# Altium PCB bitfury_power.PcbDoc (part 1 of 2)
Units mm, origin at the board's own origin, x right, y up, seen from the top; angles counter-clockwise.
Board outline 85.25 x 57.25 mm, 2 copper layers (Top Layer, Bottom Layer); 97 components, 67 nets, 376 pads, 210 vias.
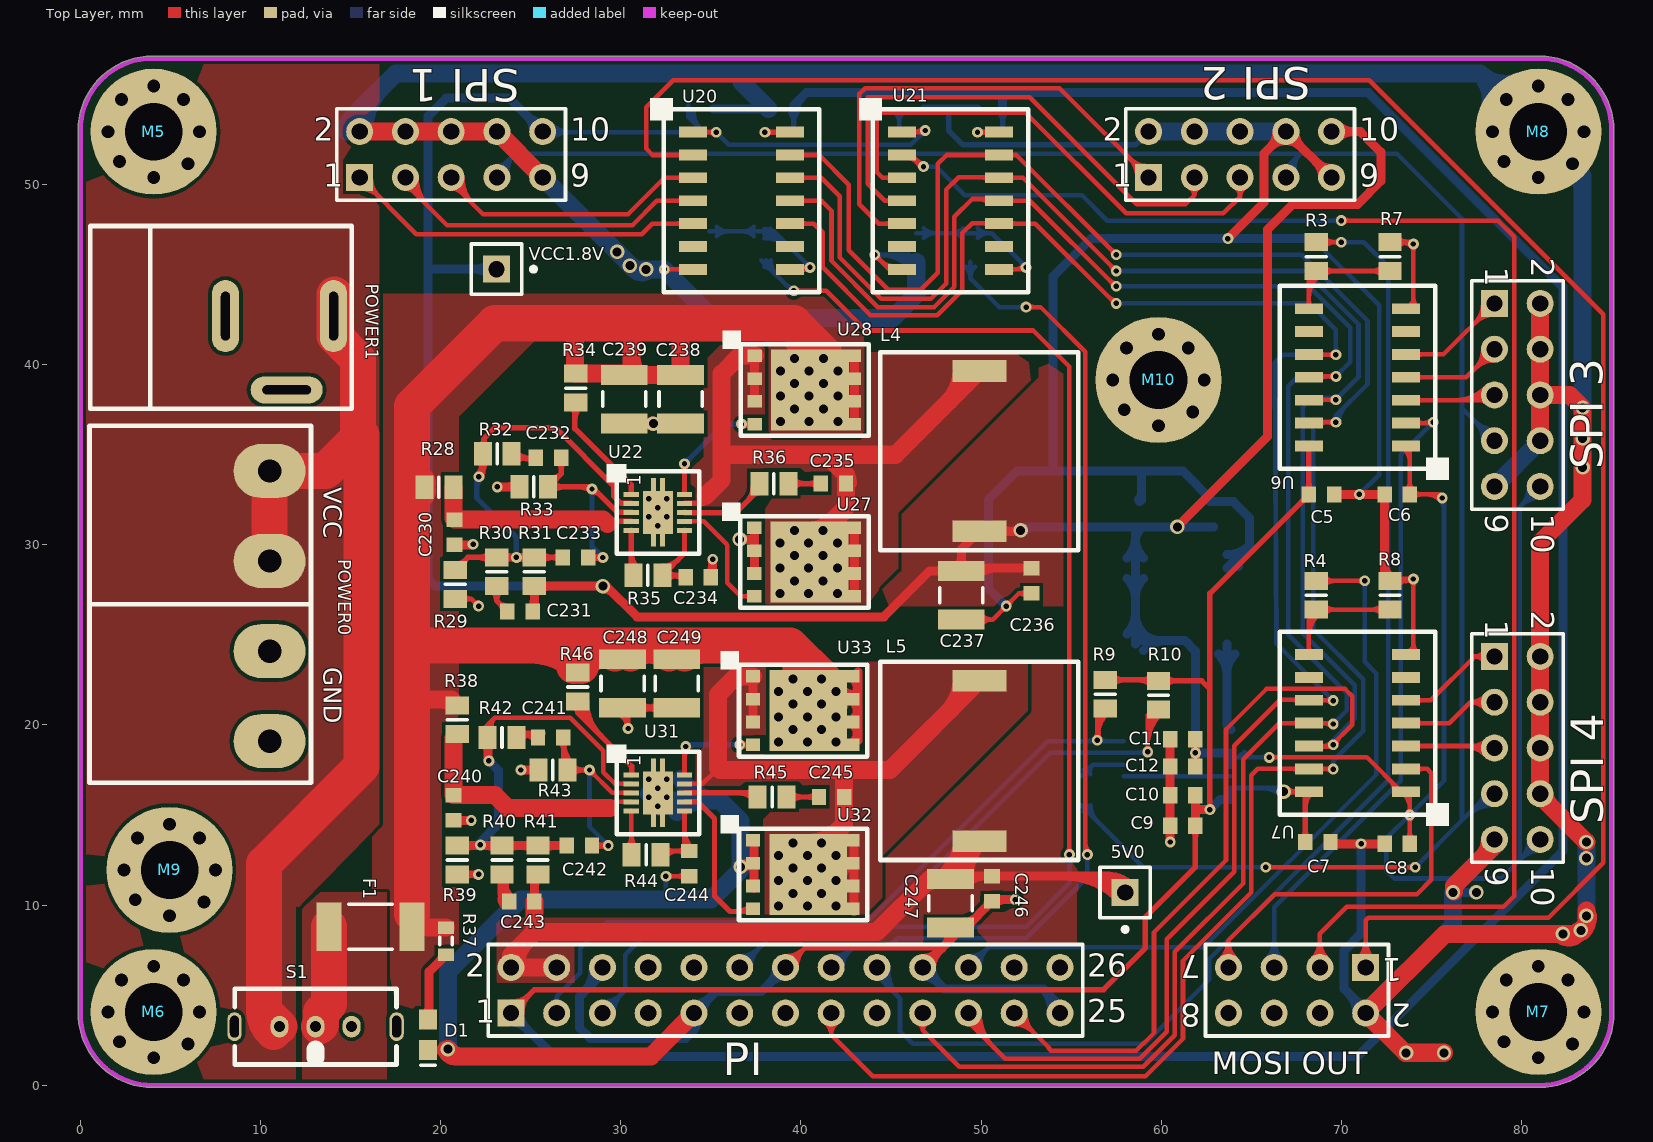
[diagram p0: Top Layer view]
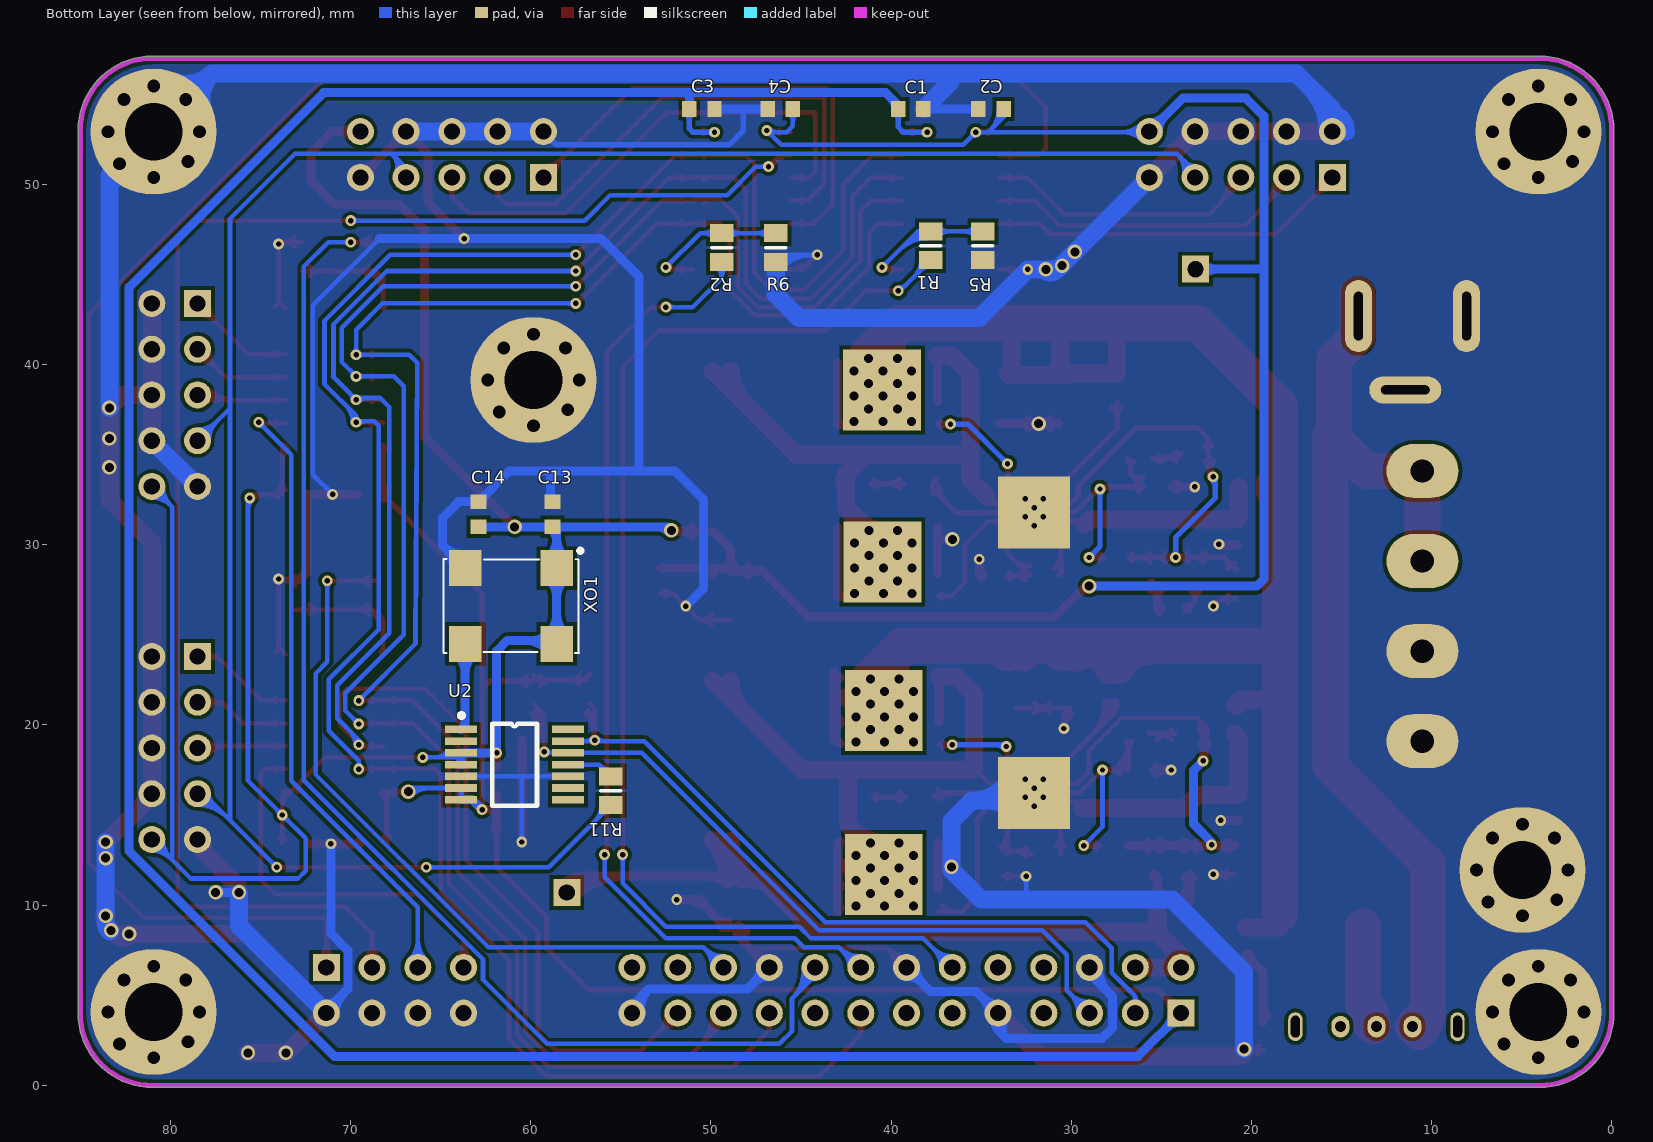
[diagram p1: Bottom Layer view, seen from below]

## Layer stack, top to bottom
Top Layer: signal copper 0.0356
Dielectric: dielectric 0.32, FR-4, Dk 4.8
Bottom Layer: signal copper 0.0356

## Board outline
-0.12,3.758 cw(c0,3.8) -0.127,3.8 -0.127,53 cw(c4,53) 4,57.127 81,57.127 cw(c81,53) 85.127,53 85.127,4 cw(c81,4) 81,-0.127 4,-0.127 cw(c4,4)

## Design rules (kind name [scope] priority, off if disabled: settings)
Clearance [All] p1: gap=0.2
HoleSize [All] p1: absolutevalues=TRUE maxlimit=254 minlimit=0.025 maxpercent=80.000 minpercent=20.000
HoleToHoleClearance [All] p1: gap=0.3 allowstackedmicrovias=TRUE
MinimumAnnularRing [All] p1: minimumring=0.15
MinimumSolderMaskSliver [All] p1: minsoldermaskwidth=0
PlaneConnect [All] p1: planeconnectstyle=Direct reliefexpansion=0.508 reliefentries=4 reliefconductorwidth=0.254 reliefairgap=0.254
PolygonConnect [All] p1: connectstyle=Direct reliefconductorwidth=0.254 reliefentries=4 polygonreliefangle="90 Angle"
RoutingVias [All] p1: holewidth=127 width=127 viastyle="Through Hole" minholewidth=0.3 minwidth=0.6 maxholewidth=0.711 maxwidth=1.27
SilkToSilkClearance [All] p1: silktosilkclearance=0
SilkscreenOverComponentPads [All] p1: minsilkscreentomaskgap=0
SolderMaskExpansion SolderMaskExpansion_1 [IsVia] p1: expansion=-0.6
SolderMaskExpansion [All] p2: expansion=0.102
Width [All] p1: maxlimit=254 minlimit=0.254 preferedwidth=0.254 minimp=50.000000 maximp=50.000000 favimp=50.000000
22 further rules are at their usual default settings.

## Components (designator, comment, footprint, x,y, rotation, side; value= is the part's Value field where it differs from the comment)
5V0 "TP" PIN1 58,10.7 r180 top
C1 "10nF/50V" 1608[0603] 38.9,54.2 r0 bottom
C2 "10nF/50V" 1608[0603] 34.45,54.2 r0 bottom
C3 "10nF/50V" 1608[0603] 50.5,54.2 r0 bottom
C4 "10nF/50V" 1608[0603] 46.15,54.2 r0 bottom
C5 "10nF/50V" 1608[0603] 68.9,32.8 r180 top
C6 "10nF/50V" 1608[0603] 73.1,32.8 r180 top
C7 "10nF/50V" 1608[0603] 68.7,13.5 r180 top
C8 "10nF/50V" 1608[0603] 73.1,13.4 r180 top
C9 "100nF/16V" 1608[0603] 61.2,14.4 r0 top
C10 "4.7uF/50V" 1608[0603] 61.2,16.1 r0 top
C11 "4.7uF/50V" 1608[0603] 61.2,19.2 r0 top
C12 "4.7uF/50V" 1608[0603] 61.2,17.7 r0 top
C13 "4.7uF/16v" 1608[0603] 58.8,31.7 r90 bottom
C14 "100nF/16V" 1608[0603] 62.9,31.7 r270 bottom
C230 "1uF" 1608[0603] 20.762,30.696 r90 top
C231 "1500pF" 1608[0603] 24.4,26.3 r0 top
C232 "1500pF" 1608[0603] 25.986,34.832 r0 top
C233 "68pF" 1608[0603] 27.482,29.298 r0 top
C234 "4.7uF" 1608[0603] 34.3,28.2 r180 top
C235 "0.22uF" 1608[0603] 41.8,33.4 r180 top
C236 "1uF" 1608[0603] 52.8,28 r90 top
C237 "68uF" C1210 48.9,27.2 r90 top
C238 "47uF" C1210 33.318,38.082 r90 top
C239 "10uF" C1210 30.186,38.082 r90 top
C240 "1uF" 1608[0603] 20.717,15.4 r90 top
C241 "1500pF" 1608[0603] 26.1,19.3 r0 top
C242 "68pF" 1608[0603] 27.7,13.3 r0 top
C243 "1200pF" 1608[0603] 24.5,10.2 r0 top
C244 "4.7uF" 1608[0603] 33.8,12.3 r90 top
C245 "0.22uF" 1608[0603] 41.702,16 r180 top
C246 "1uF" 1608[0603] 50.6,10.9 r90 top
C247 "33uF" C1210 48.3,10.1 r90 top
C248 "OPEN" C1210 30.1,22.3 r90 top
C249 "10uF" C1210 33.1,22.3 r90 top
D1 "" CD1608-0603 19.3,2.8 r270 top
F1 "Fuse" RESC5025N1 16.1,8.8 r180 top
L4 "12uH" CDRH104RNP-120 49.9,35.2 r0 top
L5 "22uH" CDRH104RNP-120 49.9,18 r0 top
M5 "Mount Hole" MHOLE2 4.064,52.936 r0 top
M6 "Mount Hole" MHOLE2 4.064,4.064 r0 top
M7 "Mount Hole" MHOLE2 80.936,4.064 r0 top
M8 "Mount Hole" MHOLE2 80.936,52.936 r0 top
M9 "Mount Hole" MHOLE2 4.95,11.95 r0 top
M10 "Mount Hole" MHOLE2 59.85,39.15 r0 top
"MOSI OUT" "Header 4X2" HDR2X4 71.35,6.54 r180 top (schematic designator P5)
PI "Header 13X2" HDR2X13 23.9,4 r0 top (schematic designator P17)
POWER0 "Header 4" SIP4 6.8,15.4 r270 top
POWER1 "PWR2.5" KLD-0202 6.25,45.8 r0 top
R1 "18R" 6-0805_L 37.8,46.6 r270 bottom
R2 "18R" 6-0805_L 49.4,46.5 r270 bottom
R3 "18R" 6-0805_L 68.6,46 r90 top
R4 "18R" 6-0805_L 68.6,27.2 r90 top
R5 "56R" 6-0805_L 34.9,46.6 r90 bottom
R6 "56R" 6-0805_L 46.4,46.5 r90 bottom
R7 "56R" 6-0805_L 72.7,46 r270 top
R8 "56R" 6-0805_L 72.7,27.2 r270 top
R9 "10K" 6-0805_L 56.9,21.7 r270 top
R10 "10K" 6-0805_L 59.85,21.65 r90 top
R11 "0R" 6-0805_L 55.55,16.35 r90 bottom
R28 "0" 6-0805_L 19.9,33.2 r180 top
R29 "4.87K" 6-0805_L 20.8,27.8 r90 top
R30 "511" 6-0805_L 23.1,28.5 r270 top
R31 "10K" 6-0805_L 25.2,28.5 r270 top
R32 "11.3K" 6-0805_L 23.134,35.048 r180 top
R33 "3.9K" 6-0805_L 25.166,33.216 r180 top
R34 "100K" 6-0805_L 27.5,38.7 r90 top
R35 "100K" 6-0805_L 31.5,28.3 r0 top
R36 "0" 6-0805_L 38.498,33.4 r0 top
R37 "10K" J1-0603 20.3,8 r90 top
R38 "0" 6-0805_L 20.917,20.288 r90 top
R39 "1.33K" 6-0805_L 20.917,12.5 r90 top
R40 "487" 6-0805_L 23.4,12.5 r270 top
R41 "10K" 6-0805_L 25.4,12.5 r270 top
R42 "9.31K" 6-0805_L 23.4,19.3 r180 top
R43 "3.9K" 6-0805_L 26.229,17.498 r180 top
R44 "100K" 6-0805_L 31.4,12.8 r0 top
R45 "0" 6-0805_L 38.4,16 r0 top
R46 "100K" 6-0805_L 27.597,22.106 r90 top
S1 "SW-SPDT" SW3_S1 13.05,3.25 r180 top
"SPI 1" "Header 5X2" HDR2X5 15.5,50.4 r0 top (schematic designator P1)
"SPI 2" "Header 5X2" HDR2X5 59.3,50.4 r0 top (schematic designator P2)
"SPI 3" "Header 5X2" HDR2X5 78.5,43.4 r270 top (schematic designator P3)
"SPI 4" "Header 5X2" HDR2X5 78.5,23.8 r270 top (schematic designator P4)
U2 "CDCE913" "TSSOP14 N" 60.9,17.8 r180 bottom
U6 "TXB0104D" TXB0104-SOP14 70.9,39.3 r180 top
U7 "TXB0104D" TXB0104-SOP14 70.9,20.1 r180 top
U20 "TXB0104D" TXB0104-SOP14 36.7,49.103 r0 top
U21 "TXB0104D" TXB0104-SOP14 48.3,49.103 r0 top
U22 "TPS40193" SON-N10 32.057,31.8 r0 top
U27 "CSD16321Q5" CSD16321 42.979,30.95 r0 top
U28 "CSD16321Q5" CSD16321 43,40.5 r0 top
U31 "TPS40193" SON-N10 32.057,16.228 r0 top
U32 "CSD16321Q5" CSD16321 42.9,13.6 r0 top
U33 "CSD16321Q5" CSD16321 42.9,22.7 r0 top
VCC1.8V "TP" PIN1 23.1,45.3 r270 top
XO1 "12MHZ" "OSC 7.5x5.2" 61.1,26.6 r0 bottom

## Footprints (in the part's own frame and the unit in brackets; to place one, negate y for a bottom-side part, rotate by r counter-clockwise, add the part's x,y. Pads: shape width x height; smd on the part's side, far side on the other; paste and mask are expansions set on the pad)
6-0805_L [mm] "Chip Resistor, Body 2.0x1.2mm, IPC High Density"
  rect 1x1.3 smd: 1(-0.8,0) 2(0.8,0)
  silkscreen extent 0,-0.55 0,0.55, body extent -1.07,-0.7 1.07,0.7, height 0.7
1608[0603] [mm] "Chip Capacitor, Body 1.6x0.8mm, IPC High Density"
  rect 0.8x0.9 smd: 1(-0.7,0) 2(0.7,0)
  body extent -0.87,-0.48 0.87,0.48, height 1.3
C1210 [mm] "Chip Capacitor, Body 3.2x2.5mm, IPC High Density"
  rect 1.1x2.6 smd: 1(-1.35,0) 2(1.35,0)
  silkscreen extent -0.4,-1.2 0.4,1.2, body extent -1.7,-1.35 1.7,1.35, height 1.3
CD1608-0603 [mm] "Chip Diode; Body 1.6 x 0.8 mm (LxW typ)"
  rect 1.1x1 smd: 1(-0.85,0) 2(0.85,0)
  silkscreen extent 1.7,-0.4 1.7,0.4
CDRH104RNP-120 [mm]
  rect 3x1.2 smd: 1(0,4.45) 2(0,-4.45)
  silkscreen extent -5.5,-5.5 5.5,5.5
CSD16321 [mm]
  rect 0.8x0.7 smd: 1(-5.565,0) 2(-5.565,-1.27) 3(-5.565,-2.54) 4(-5.565,-3.81)
  rect 0.68x0.7 smd: 5(0,-3.81) 6(0,-2.54) 7(0,-1.27) 8(0,0)
  rect 4.32x4.51 smd: 8(-2.5,-1.905)
  rect 4.32x4.51 smd far side: 8(-2.5,-1.905)
  silkscreen extent -7.35,-4.45 0.77,1.4
HDR2X4 [mm] "Connector; Header; 4x2 Position"
  rect 1.5x1.5 hole 0.9: 1(0,0)
  round 1.5 hole 0.9: 2(0,2.54) 3(2.54,0) 4(2.54,2.54) 5(5.08,0) 6(5.08,2.54) 7(7.62,0) 8(7.62,2.54)
  silkscreen extent -1.27,-1.27 8.89,3.81
HDR2X5 [mm] "Connector; Header; 5x2 Position"
  rect 1.5x1.5 hole 0.9: 1(0,0)
  round 1.5 hole 0.9: 2(0,2.54) 3(2.54,0) 4(2.54,2.54) 5(5.08,0) 6(5.08,2.54) 7(7.62,0) 8(7.62,2.54) 9(10.16,0) 10(10.16,2.54)
  silkscreen extent -1.27,-1.27 11.43,3.81
HDR2X13 [mm] "Connector; Header; 13x2 Position"
  rect 1.5x1.5 hole 0.9: 1(0,0)
  round 1.5 hole 0.9: 2(0,2.54) 3(2.54,0) 4(2.54,2.54) 5(5.08,0) 6(5.08,2.54) 7(7.62,0) 8(7.62,2.54) 9(10.16,0) 10(10.16,2.54) 11(12.7,0) 12(12.7,2.54) 13(15.24,0) 14(15.24,2.54) 15(17.78,0) 16(17.78,2.54) 17(20.32,0) 18(20.32,2.54) 19(22.86,0) 20(22.86,2.54) 21(25.4,0) 22(25.4,2.54) 23(27.94,0) 24(27.94,2.54) 25(30.48,0) 26(30.48,2.54)
  silkscreen extent -1.27,-1.27 31.75,3.81
J1-0603 [mm] "Chip Resistor, Body 1.6x0.8mm, IPC High Density"
  rect 0.7x0.9 smd: 1(-0.75,0) 2(0.75,0)
  silkscreen extent -0.2,-0.35 0.2,0.35, body extent -0.85,-0.48 0.85,0.48, height 0.9
KLD-0202 [mm] "DC Power Jack, 2.5mm, KLD Series, PCB Mount"
  oval 1.5x4 hole 0.5 slot 2.7 at 90 deg: 1(7.8,-3.1) 2(1.8,-3.1)
  oval 4x1.5 hole 0.5 slot 2.7 at 0 deg: 3(5.2,-7.2)
  silkscreen extent -5.7,-8.25 8.8,1.9, body extent -5.9,-7.6 8.1,1.7, height 10
MHOLE2 [mm]
  round 7 hole 3.2: 0(0,0)
"OSC 7.5x5.2" [mm]
  rect 1.8x2 smd: 1(-2.54,-2.1) 2(2.54,-2.1) 3(2.54,2.1) 4(-2.54,2.1)
  silkscreen extent -3.95,-3.17 3.76,2.61
PIN1 [mm] "Connector; Plug"
  rect 1.5x1.5 hole 0.9: 1(0,0)
  silkscreen extent -1.4,-1.4 1.4,2.17
RESC5025N1 [mm] "Chip Resistor, Body 5.0x2.5mm, IPC Medium Density"
  rect 1.4x2.7 smd: 1(-2.3,0) 2(2.3,0)
  silkscreen extent -1.2,-1.25 1.2,1.25, body extent -2.58,-1.33 2.58,1.33, height 0.71
SIP4 [mm]
  oval 3x4 hole 1.3: 1(-18.7,3.7) 2(-13.7,3.7) 3(-8.7,3.7) 4(-3.7,3.7)
  silkscreen extent -21.2,-6.3 -1.4,6, body extent -21.3,-6.45 -1.3,5.65, height 8
SON-N10 [mm]
  rect 0.85x0.28 smd paste+0.07 mask+0.07: 1(-1.475,1) 2(-1.475,0.5) 3(-1.475,0) 4(-1.475,-0.5) 5(-1.475,-1) 6(1.475,-1) 7(1.475,-0.5) 8(1.475,0) 9(1.475,0.5) 10(1.475,1)
  rect 0.28x0.7 smd paste+0 mask+0: 11(-0.25,-1.549) 11(-0.25,1.549) 11(0.25,-1.549) 11(0.25,1.549)
  rect 4x4 smd far side: 11(0,0)
  rect 1.65x2.4 smd: 11(0,0)
  silkscreen extent -2.84,-2.29 2.29,2.69, body extent -1.97,-1.9 1.97,1.9, height 0.8
SW3_S1 [mm]
  oval 1x1.2 hole 0.6: 1(-2,0) 2(0,0) 3(2,0)
  oval 0.8x1.6 hole 0.5 slot 1.2 at 90 deg: 4(-4.5,0) 5(4.5,0)
  silkscreen extent -4.5,-2.1 4.5,2.1
"TSSOP14 N" [mm]
  rect 1.78x0.42 smd: 1(-2.97,1.95) 2(-2.97,1.3) 3(-2.97,0.65) 4(-2.97,0) 5(-2.97,-0.65) 6(-2.97,-1.3) 7(-2.97,-1.95) 8(2.97,-1.95) 9(2.97,-1.3) 10(2.97,-0.65) 11(2.97,0) 12(2.97,0.65) 13(2.97,1.3) 14(2.97,1.95)
  silkscreen extent -3.07,-2.28 1.25,2.85
TXB0104-SOP14 [mm]
  rect 1.55x0.6 smd: 1(-2.7,3.81) 2(-2.7,2.54) 3(-2.7,1.27) 4(-2.7,0) 5(-2.7,-1.27) 6(-2.7,-2.54) 7(-2.7,-3.81) 8(2.7,-3.81) 9(2.7,-2.54) 10(2.7,-1.27) 11(2.7,0) 12(2.7,1.27) 13(2.7,2.54) 14(2.7,3.81)
  silkscreen extent -5.08,-5.08 4.32,5.71

## Part data
C1 C2 C3 C4 C5 C6 C7 C8 C9 C10 C11 C12 C13 C14 C230 C231 C232 C233 C234 C235 C236 C237 C238 C239 C240 C241 C242 C243 C244 C245 C246 C247 C248 C249: library part Cap, "Capacitor"
D1: library part LED3, "Typical BLUE SiC LED"
F1: library part "Fuse 2"
L4 L5: library part Inductor, "Inductor"
M5 M6 M7 M8 M9 M10: library part M_Hole
"MOSI OUT": "Header, 4-Pin, Dual row"
PI: "Header, 13-Pin, Dual row"
POWER0: "Header, 4-Pin"
POWER1: "Low Voltage Power Supply Connector"
R1 R2 R3 R4 R5 R6 R7 R8 R9 R10: library part Res2, "Resistor"
R11: library part "default res SML 1"
R28 R29 R30 R31 R32 R33 R34 R35 R36 R37 R38 R39 R40 R41 R42 R43 R44 R45 R46: library part Res3, "Resistor"
S1: "SPDT Subminiature Toggle Switch, Right Angle Mounting, Vertical Actuation"
"SPI 1" "SPI 2" "SPI 3" "SPI 4": "Header, 5-Pin, Dual row"
U2: library part CDCEL913, "CLKC GEN"
XO1: library part "CLK OSC XTL", "OSCILLATOR"

## Via types
v1: diameter 0.8, hole 0.5, Top Layer to Bottom Layer, 83 vias
v2: diameter 0.6, hole 0.3, Top Layer to Bottom Layer, 77 vias
v3: diameter 1.27, hole 0.711, Top Layer to Bottom Layer, 48 vias
v4: diameter 0.6, hole 0.3, Top Layer to Bottom Layer, tented bottom, 2 vias

## Nets (pads, with @x,y where several pads share a name; then routed paths per layer and width w, separated by ;. In a path a pad name is that pad's centre, name@x,y a point inside that pad or via, vN(x,y) a via of type N, cw(c..) or ccw(c..) an arc to the next point about the centre after c; other vN are vias at no path point)
3V3: C1.2 C3.2 C5.2 C7.2 C9.2 C10.2 PI.1 R9.1 R10.2 U2.6 U2.7 U6.14 U7.14 U20.14 U21.14 | length 260.6
  Top Layer w0.3: PI.1@23.9,4 25.2,5.3 56.8,5.3 59.123,7.623 59.123,9.328 61.9,12.105 C9.2@61.9,14.4 ; PI.1@23.9,4.6 ccw(c23.9,6.049) 24.924,5.024 ccw(c25.949,4) PI.1@24.5,4 ; v2(38,52.9) 38.013,52.913 U20.14@39.4,52.913 ; v2@38.106,52.794 cw(c38.394,52.506) 38.394,52.913 ; v2@38.106,53.006 ccw(c38.331,53.231) 38.331,52.913 ; U20.14@38.819,52.807 ccw(c38.563,52.551) 38.563,52.913 ccw(c38.563,53.275) U20.14@38.819,53.019 ; v2(49.8,52.9) 49.813,52.913 U21.14@51,52.913 ; v2@49.906,52.794 cw(c50.194,52.506) 50.194,52.913 ; v2@49.906,53.006 ccw(c50.131,53.231) 50.131,52.913 ; U21.14@50.419,52.807 ccw(c50.163,52.551) 50.163,52.913 ccw(c50.163,53.275) U21.14@50.419,53.019 ; R9.1@56.75,22.8 R9.1@56.95,22.6 ; R9.1@56.9,22.5 59.8,22.5 R10.2@59.85,22.45 ; R9.1@57.297,22.253 cw(c57.895,21.655) 57.895,22.5 cw(c57.895,23.345) R9.1@57.297,22.747 ; 58.734,22.5 cw(c58.734,21.484) R10.2@59.453,22.203 ; 58.976,22.5 ccw(c58.976,23.174) R10.2@59.453,22.697 ; R10.2@59.85,22.75 59.7,22.6 R10.2@59.85,22.45 ; R10.2@60.247,22.203 cw(c60.845,21.605) 60.845,22.45 cw(c60.845,23.295) R10.2@60.247,22.697 ; C9.2@61.723,14.173 cw(c61.296,13.746) 61.9,13.746 cw(c62.504,13.746) C9.2@62.077,14.173 ; v2@62.594,15.406 ccw(c62.338,15.662) 62.7,15.662 ccw(c63.062,15.662) v2@62.806,15.406 ; v2(62.7,15.3) 62.7,22 ; v1(66.8,16.3) 66.81,16.29 U7.14@68.2,16.29 68,16.09 C7.2@68,13.4 ; v1@66.977,16.123 cw(c67.379,15.721) 67.379,16.29 ; v1@66.977,16.477 ccw(c67.428,16.928) U7.14@67.428,16.29 ; U7.14@67.619,16.184 ccw(c67.363,15.928) 67.363,16.29 ccw(c67.363,16.652) U7.14@67.619,16.396 ; 67.688,32.288 cw(c68.2,31.776) C5.2@68.2,32.5 ; C5.2@67.809,32.409 ccw(c67.467,32.75) C5.2@67.95,32.75 ; C7.2@67.823,13.727 ccw(c67.396,14.154) 68,14.154 ccw(c68.604,14.154) C7.2@68.177,13.727 ; 68,15.445 cw(c69.045,15.445) U7.14@68.306,16.184 ; C5.2@68.023,33.027 ccw(c67.597,33.453) 68.2,33.453 ccw(c68.804,33.454) C5.2@68.377,33.027 ; U6.14@68.094,35.384 cw(c67.838,35.128) 68.2,35.128 cw(c68.562,35.128) U6.14@68.306,35.384 ; U6.14@68.2,35.49 C5.2@68.2,32.8 62.7,27.3 62.7,22 ; R10.2@59.85,22.45 62.25,22.45 62.7,22
  Top Layer w0.5: C9.2@61.9,14.4 61.9,15.3 ; C10.2@61.9,16.1 61.9,15.3 ; v2(62.7,15.3) 61.9,15.3
  Bottom Layer w0.3: v2(38,52.9) 39.3,52.9 39.6,53.2 C1.2@39.6,54.2 C1.2@39.6,54.3 ; v2@38.106,52.794 cw(c38.362,52.538) 38.362,52.9 cw(c38.362,53.262) v2@38.106,53.006 ; C1.2@39.423,53.973 cw(c38.996,53.546) 39.6,53.546 cw(c40.204,53.546) C1.2@39.777,53.973 ; v2(49.8,52.9) 51,52.9 51.2,53.1 C3.2@51.2,54.2 ; v2@49.906,52.794 cw(c50.162,52.538) 50.162,52.9 cw(c50.162,53.262) v2@49.906,53.006 ; C3.2@51.023,53.973 cw(c50.596,53.546) 51.2,53.546 cw(c51.804,53.546) C3.2@51.377,53.973 ; U2.7@63.87,15.85 U2.6@63.87,16.5 66.6,16.5 v1(66.8,16.3) ; 65.714,16.5 cw(c65.714,15.214) v1@66.623,16.123 ; 66.438,16.5 cw(c66.438,15.938) v1@66.835,16.335
  Bottom Layer w0.5: PI.1@23.9,3.5 cw(c23.9,2.293) 24.754,3.146 cw(c25.607,4) PI.1@24.4,4 ; PI.1@23.9,4 26.3,1.6 70.9,1.6 82.3,13 82.3,44.3 71.5,55.1 51.2,55.1 ; C1.2@39.7,54.4 39.6,54.3 39.6,54.4 40.3,55.1 51.2,55.1 ; C1.2@39.75,54.25 cw(c40.474,54.25) 39.962,54.762 ; C3.2@51.2,54.2 51.2,55.1 ; v2(62.7,15.3) 63.25,15.85 U2.7@63.87,15.85
5V0: 5V0.1 C243.2 C246.2 C247.2 L5.2 PI.2 PI.4 R41.2 | length 63.6
  Top Layer w0.5: C243.2@25.2,10.2 25.2,11.5 R41.2@25.4,11.7 ; 25.2,10.976 cw(c25.974,10.976) R41.2@25.427,11.523 ; C247.2@47.15,11.45 C247.2@48.3,11.45 48.45,11.6 C246.2@50.6,11.6 57.1,11.6 5V0.1@58,10.7 ccw(c55.827,8.527) 55.827,11.6 ; C247.2@49.262,11.238 cw(c50.136,10.364) 50.136,11.6 ; 54.62,11.6 cw(c54.62,7.32) 5V0.1@57.646,10.346 ; 57.034,11.6 cw(c57.034,9.734) 5V0.1@58.354,11.054 ; 5V0.1@57.5,10.7 ccw(c56.293,10.7) 57.146,11.554 ccw(c58,12.407) 5V0.1@58,11.2
  Top Layer w1: PI.2@24.15,6.54 cw(c26.347,6.54) 24.793,8.093 ; C243.2@25.2,10.2 25.2,8.5 ; PI.4@26.44,6.54 PI.2@23.9,6.54 23.9,7.2 25.2,8.5 ; 46.782,11.082 cw(c47.55,10.314) C247.2@47.55,11.4 ; C247.2@47.15,11.45 44.2,8.5 25.2,8.5 ; C247.2@48.102,11.396 cw(c48.852,11.439) C247.2@48.321,11.971 ; C247.2@48.3,11.45 C247.2@48.3,11.95 ; L5.2@48.9,13.544 cw(c46.841,13.41) C247.2@48.3,11.95 ; C247.2@49.1,11.453 cw(c51.842,11.608) L5.2@49.9,13.55 C247.2@48.3,11.95 ; L5.2@49.862,13.512 ccw(c49.773,13.6) L5.2@49.898,13.608
CE0_3V3: PI.12 R1.2 | length 76.5
  Top Layer w0.254: v2(39.6,44.1) 41.4,44.1 43.6,41.9 52.9,41.9 54.9,39.9 v2(54.9,12.8) ; v2@39.722,43.978 cw(c40.018,43.682) 40.018,44.1 cw(c40.018,44.518) v2@39.722,44.222 ; v2@54.778,12.922 ccw(c54.482,13.218) 54.9,13.218 ccw(c55.318,13.218) v2@55.022,12.922
  Bottom Layer w0.254: PI.12@36.6,6.54 38.206,8.146 44.446,8.146 45.1,8.8 52.5,8.8 54.9,11.2 v2@54.9,12.7 ; PI.12@36.6,6.909 ccw(c36.6,7.8) 37.23,7.17 ccw(c37.86,6.54) PI.12@36.969,6.54 ; PI.12@36.6,7.163 ccw(c36.6,8.667) 37.664,7.604 ccw(c38.727,6.54) PI.12@37.223,6.54 ; R1.2@37.8,45.8 39.5,44.1 v2(39.6,44.1) ; R1.2@37.95,45.427 cw(c37.95,44.889) 38.331,45.269 ; R1.2@38.069,45.8 ccw(c38.718,45.8) R1.2@38.259,45.341 ; R1.2@38.323,45.8 ccw(c39.586,45.8) 38.693,44.907 ; 39.134,44.466 ccw(c39.6,44.932) v2@39.6,44.273 ; v2@54.778,12.678 cw(c54.482,12.382) 54.9,12.382 cw(c55.318,12.382) v2@55.022,12.678
CE1_3V3: PI.16 R2.2 | length 61.7
  Top Layer w0.254: v2(52.5,43.2) 53.3,43.2 55.773,40.727 55.773,12.927 v2(55.9,12.8) ; v2@52.622,43.078 cw(c52.918,42.782) 52.918,43.2 cw(c52.918,43.618) v2@52.622,43.322 ; 55.773,13.524 ccw(c56.624,13.524) v2@56.022,12.922
  Bottom Layer w0.254: PI.16@41.68,6.54 41.79,6.54 42.9,7.65 ; PI.16@41.687,6.909 ccw(c41.708,7.998) 42.478,7.228 ; PI.16@41.692,7.163 ccw(c41.723,8.826) 42.9,7.65 ; PI.16@42.303,6.54 cw(c43.541,6.54) 42.666,7.416 ; R2.2@49.136,45.436 cw(c48.501,44.8) 49.4,44.8 ; R2.2@49.4,45.7 49.4,44.8 ; R2.2@49.664,45.436 ccw(c50.299,44.8) 49.4,44.8 ; v2@52.378,43.078 ccw(c52.082,42.782) 52.082,43.2 ccw(c52.082,43.618) v2@52.378,43.322 ; v2(52.5,43.2) 51,43.2 49.4,44.8 ; v2@55.778,12.678 cw(c55.482,12.382) 55.9,12.382 cw(c56.318,12.382) v2@56.022,12.678 ; v2@55.9,12.773 55.9,11.55 52.5,8.15 45.35,8.15 44.85,7.65 42.9,7.65